# Altium PCB RFSOC_SAWG.PcbDoc (part 10 of 15) (continued)
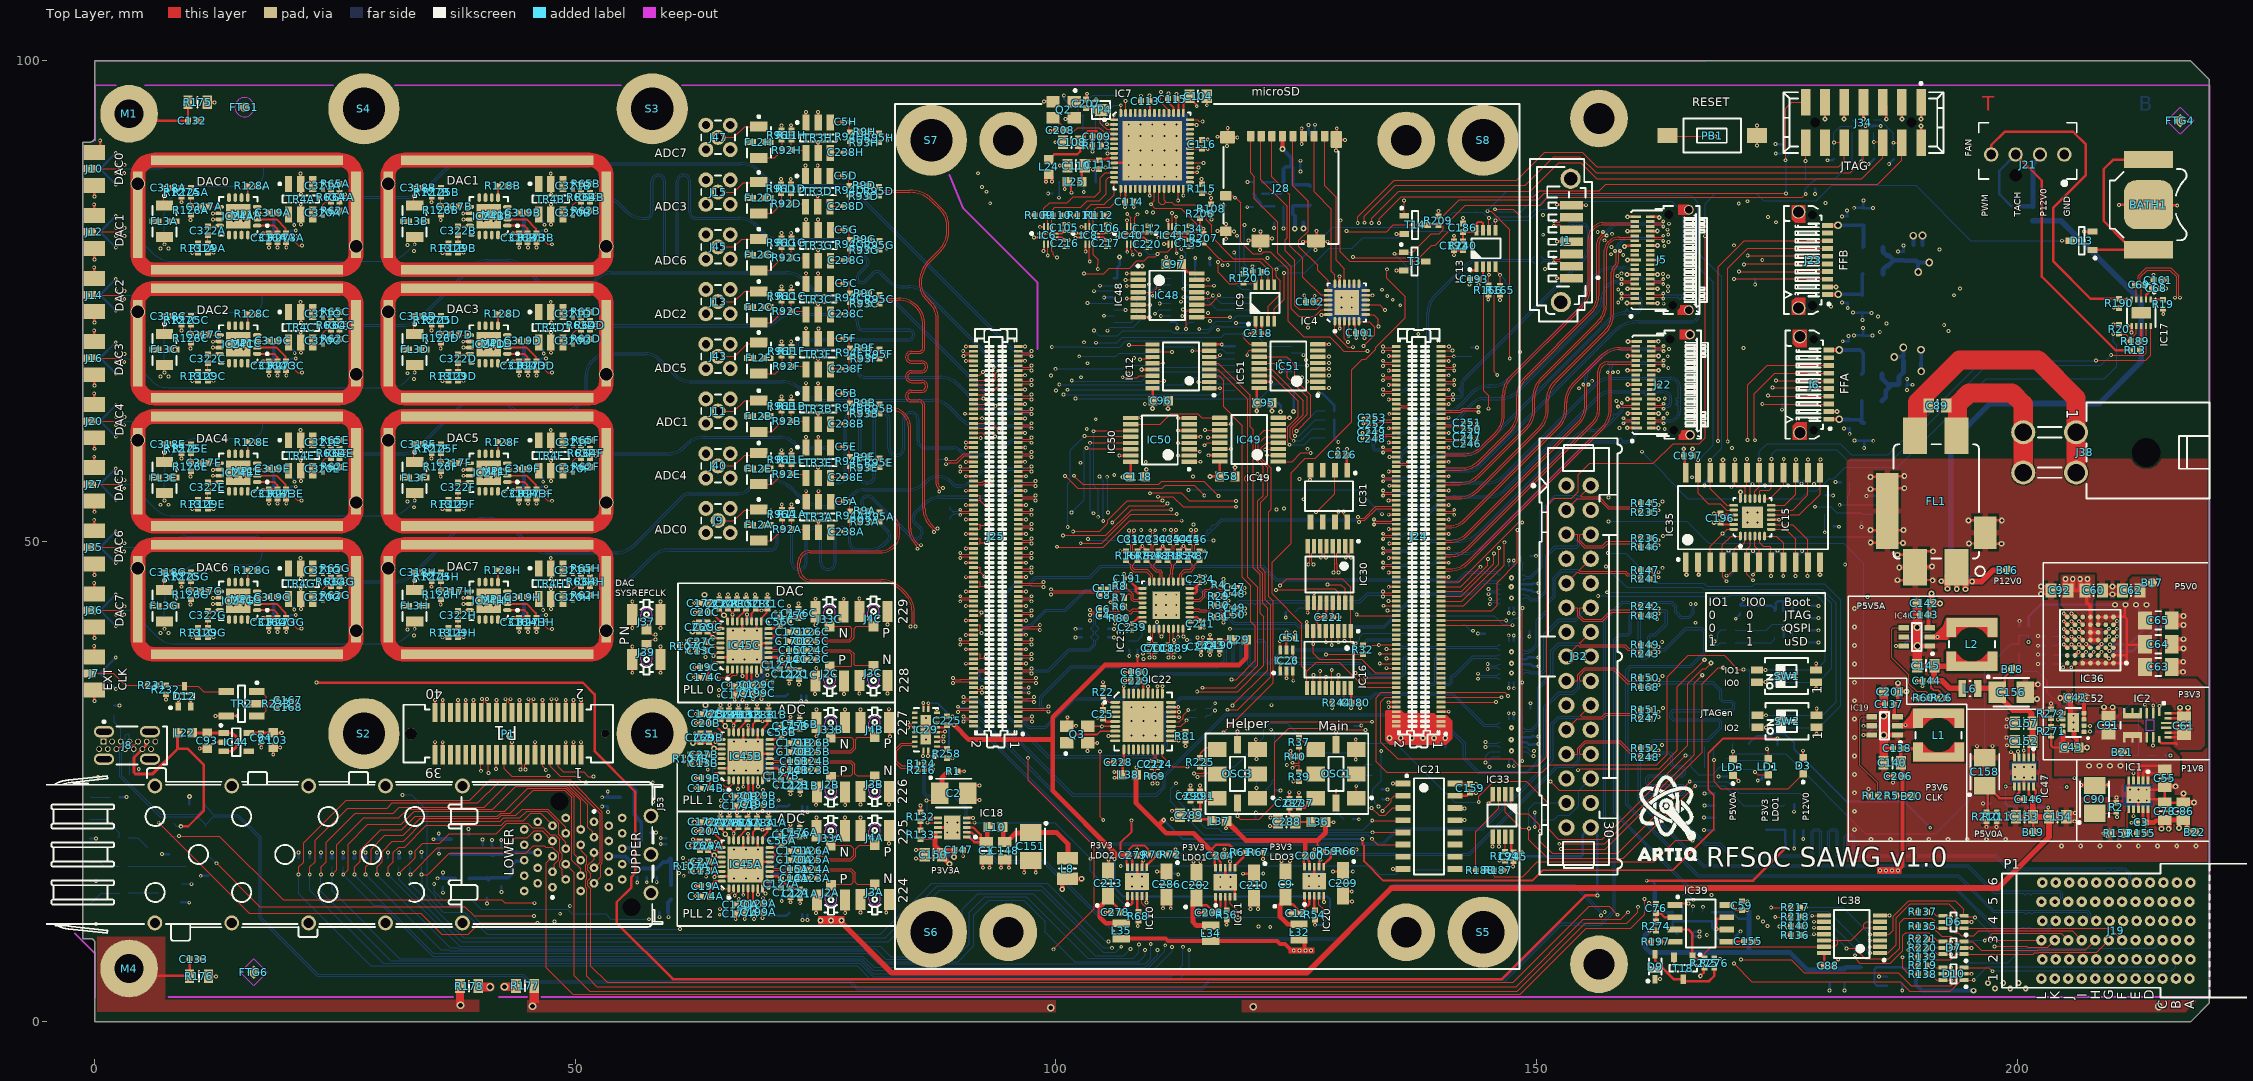
[diagram p0: Top Layer view]
## Nets (pads, with @x,y where several pads share a name; then routed paths per layer and width w, separated by ;. In a path a pad name is that pad's centre, name@x,y a point inside that pad or via, vN(x,y) a via of type N, cw(c..) or ccw(c..) an arc to the next point about the centre after c; other vN are vias at no path point) (continued)
  Bottom Layer w0.093: IC27.4@148.528,46.014 148.703,46.014 148.781,46.092 148.781,46.099 148.836,46.154 149.465,46.154 150.6,47.289 150.6,53.15 152.005,54.555 154.202,54.555 154.268,54.489 154.268,54.412 J32.3@153.114,53.258
LVDS_DUAL_N1: IC27.8 J32.6 R236.2 | length 21.2
  Top Layer w0.093: J32.6@155.654,50.718 154.549,50.718 154.494,50.664 154.494,50.131 155.075,49.55 156.868,49.55 157.303,49.985 160.557,49.985 160.612,50.039 160.612,50.081 R236.2@160.855,50.325
  Bottom Layer w0.093: IC27.8@148.528,44.014 148.703,44.014 148.781,44.092 148.781,44.099 148.836,44.154 149.02,44.154 149.374,43.8 150.139,43.8 151.175,44.836 151.175,48.475 152,49.3 154.216,49.3 154.495,49.579 154.495,49.95 155.263,50.718 J32.6@155.654,50.718
LVDS_DUAL_N2: IC28.4 J32.9 R241.2 | length 22.4
  Top Layer w0.093: J32.9@153.114,45.638 154.268,46.792 154.345,46.792 154.475,46.662 159.176,46.662 159.405,46.433 160.283,46.433 ; R241.2@160.851,46.085 160.607,46.329 160.607,46.379 160.553,46.434 160.284,46.434 ; 160.283,46.433 160.284,46.434
  Bottom Layer w0.093: IC28.4@148.528,38.216 148.703,38.216 148.781,38.294 148.781,38.302 148.836,38.356 149.141,38.356 149.272,38.488 149.488,38.488 150.225,39.225 150.225,41.725 151.3,42.8 151.3,43.6 151.949,44.249 151.949,46.099 152.7,46.85 154.129,46.85 154.189,46.79 154.189,46.713 J32.9@153.114,45.638
LVDS_DUAL_N3: IC28.8 J32.12 R242.2 | length 21.5
  Top Layer w0.093: J32.12@155.654,43.098 154.549,43.098 154.494,43.044 154.494,42.306 154.9,41.9 156.803,41.9 157.763,42.86 160.557,42.86 160.612,42.914 160.612,42.981 R242.2@160.855,43.225
  Bottom Layer w0.093: IC28.8@148.528,36.216 148.703,36.216 148.781,36.294 148.781,36.302 148.836,36.356 149.131,36.356 149.287,36.2 150.591,36.2 151,36.609 151,40.3 152.4,41.7 154.111,41.7 154.595,42.184 154.595,42.464 155.229,43.098 J32.12@155.654,43.098
LVDS_DUAL_N4: IC42.4 J32.15 R243.2 | length 23.2
  Top Layer w0.093: J32.15@153.114,38.018 154.268,39.172 154.345,39.172 154.475,39.042 159.132,39.042 159.509,38.665 160.118,38.665 ; 160.118,38.665 160.557,38.665 160.612,38.611 160.612,38.568 R243.2@160.855,38.325
  Bottom Layer w0.093: IC42.4@148.528,30.109 148.703,30.109 148.781,30.188 148.781,30.195 148.836,30.249 149.561,30.249 150.35,31.039 150.35,34.739 151.725,36.114 151.725,38.575 152.361,39.211 154.121,39.211 154.175,39.156 154.175,39.079 J32.15@153.114,38.018
LVDS_DUAL_P0: IC27.3 J32.2 R145.2 | length 23
  Top Layer w0.093: J32.2@155.654,55.798 154.62,54.764 154.62,54.687 154.674,54.632 156.518,54.632 157.54,53.61 160.557,53.61 160.612,53.664 160.612,53.731 R145.2@160.855,53.975
  Bottom Layer w0.093: IC27.3@148.528,46.514 148.703,46.514 148.781,46.435 148.781,46.428 148.836,46.374 149.374,46.374 150.38,47.38 150.38,53.241 151.914,54.775 154.293,54.775 154.424,54.645 154.501,54.645 J32.2@155.654,55.798
LVDS_DUAL_P1: IC27.7 J32.5 R146.2 | length 21.2
  Top Layer w0.093: J32.5@153.114,50.718 154.22,50.718 154.274,50.664 154.274,50.039 154.984,49.33 156.959,49.33 157.394,49.765 160.557,49.765 160.612,49.711 160.612,49.668 R146.2@160.855,49.425
  Bottom Layer w0.093: IC27.7@148.528,44.514 148.703,44.514 148.781,44.435 148.781,44.428 148.836,44.374 149.111,44.374 149.465,44.02 150.048,44.02 150.955,44.927 150.955,48.566 151.909,49.52 154.125,49.52 154.275,49.67 154.275,49.95 153.507,50.718 J32.5@153.114,50.718
LVDS_DUAL_P2: IC28.3 J32.8 R147.2 | length 22.6
  Top Layer w0.093: J32.8@155.654,48.178 154.501,47.025 154.501,46.948 154.566,46.882 159.267,46.882 159.496,46.653 160.192,46.653 160.193,46.654 160.557,46.654 160.612,46.708 160.612,46.756 R147.2@160.855,47
  Bottom Layer w0.093: IC28.3@148.528,38.716 148.703,38.716 148.781,38.637 148.781,38.63 148.836,38.576 149.05,38.576 149.181,38.708 149.396,38.708 150.005,39.316 150.005,41.816 151.08,42.891 151.08,43.691 151.729,44.34 151.729,46.19 152.609,47.07 154.22,47.07 154.344,46.946 154.422,46.946 J32.8@155.654,48.178
LVDS_DUAL_P3: IC28.7 J32.11 R148.2 | length 21.7
  Top Layer w0.093: J32.11@153.114,43.098 154.22,43.098 154.274,43.044 154.274,42.214 154.809,41.68 156.894,41.68 157.854,42.64 160.557,42.64 160.612,42.586 160.612,42.518 R148.2@160.855,42.275
  Bottom Layer w0.093: IC28.7@148.528,36.716 148.703,36.716 148.781,36.637 148.781,36.63 148.836,36.576 149.222,36.576 149.378,36.42 150.5,36.42 150.78,36.7 150.78,40.391 152.309,41.92 154.02,41.92 154.375,42.275 154.375,42.555 154.104,42.826 153.386,42.826 J32.11@153.114,43.098
LVDS_DUAL_P4: IC42.3 J32.14 R149.2 | length 23.4
  Top Layer w0.093: J32.14@155.654,40.558 154.501,39.405 154.501,39.328 154.566,39.262 159.223,39.262 159.6,38.885 160.209,38.885 160.557,38.885 160.612,38.939 160.612,38.981 R149.2@160.855,39.225
  Bottom Layer w0.093: IC42.3@148.528,30.609 148.703,30.609 148.781,30.531 148.781,30.524 148.836,30.469 149.469,30.469 150.13,31.13 150.13,34.83 151.505,36.205 151.505,38.666 152.269,39.431 154.398,39.431 154.424,39.405 154.501,39.405 J32.14@155.654,40.558
LVDS_JTAG_TCK_N: IC30.8 IC42.14 | length 38.3
  Top Layer w0.093: IC30.8@126.2,49.5 126.2,48.975 126.415,48.76 126.415,48.519 126.415,47.808 126.262,47.654 v1(126.262,47.6)
  Mid-Layer 6 w0.08: v1(126.262,47.6) 126.262,47.553 126.421,47.393 126.421,45.196 125.393,44.168 125.393,35.864 127.207,34.05 135.375,34.05 138.075,31.35 140.032,31.35 142.626,28.756 144.493,28.756 144.653,28.596 v1(144.7,28.596)
  Bottom Layer w0.093: v1(144.7,28.596) 144.754,28.596 144.908,28.749 145.604,28.749 145.92,28.749 145.974,28.695 145.974,28.688 146.053,28.609 IC42.14@146.228,28.609
LVDS_JTAG_TCK_P: IC30.7 IC42.15 | length 38.2
  Top Layer w0.093: v1(126.788,47.6) 126.788,47.654 126.635,47.808 126.635,48.61 126.635,48.76 126.85,48.975 IC30.7@126.85,49.5
  Mid-Layer 6 w0.08: v1(126.788,47.6) 126.788,47.553 126.628,47.393 126.628,45.111 125.6,44.082 125.6,35.95 127.293,34.257 135.461,34.257 138.161,31.557 140.118,31.557 142.712,28.963 142.794,28.963 142.875,28.963 142.945,29.033 142.945,29.043 143.015,29.113 143.155,29.113 143.225,29.043 143.225,29.033 143.295,28.963 143.435,28.963 143.505,29.033 143.505,29.043 143.575,29.113 143.715,29.113 143.785,29.043 143.785,29.033 143.855,28.963 144.175,28.963 144.493,28.963 144.653,29.123 v1(144.7,29.123)
  Bottom Layer w0.093: v1(144.7,29.123) 144.754,29.123 144.908,28.969 145.695,28.969 145.92,28.969 145.974,29.024 145.974,29.031 146.053,29.109 IC42.15@146.228,29.109
LVDS_JTAG_TDI_N: IC27.12 IC30.1 | length 25.9
  Top Layer w0.093: v1(130.688,48.3) 130.688,48.354 130.535,48.508 130.535,48.76 130.75,48.975 IC30.1@130.75,49.5
  Mid-Layer 6 w0.08: v1(130.688,48.3) 130.688,48.253 130.528,48.093 130.528,48.007 130.528,47.922 133.157,45.293 133.157,43.118 134,42.275 142.075,42.275 142.31,42.275 142.38,42.345 142.38,42.355 142.45,42.425 142.59,42.425 142.66,42.355 142.66,42.345 142.73,42.275 142.87,42.275 142.94,42.345 142.94,42.355 143.01,42.425 143.15,42.425 143.22,42.355 143.22,42.345 143.29,42.275 143.43,42.275 143.5,42.345 143.5,42.355 143.57,42.425 143.71,42.425 143.78,42.355 143.78,42.345 143.85,42.275 143.99,42.275 144.06,42.345 144.06,42.355 144.13,42.425 144.27,42.425 144.34,42.355 144.34,42.345 144.41,42.275 144.55,42.275 144.62,42.345 144.62,42.355 144.69,42.425 144.83,42.425 144.9,42.355 144.9,42.345 144.97,42.275 145.11,42.275 145.18,42.345 145.18,42.355 145.25,42.425 145.39,42.425 145.46,42.355 145.46,42.345 145.53,42.275 145.85,42.275 146.15,42.275 146.4,42.525 146.4,43.4 146.174,43.626 145.355,43.626 145.203,43.474 v1(145.148,43.474)
  Bottom Layer w0.093: v1@145.148,43.626 v1(145.148,43.474) 145.192,43.474 145.372,43.654 145.92,43.654 145.974,43.599 145.974,43.592 146.053,43.514 IC27.12@146.228,43.514
LVDS_JTAG_TDI_P: IC27.13 IC30.2 | length 25.9
  Top Layer w0.093: IC30.2@130.1,49.5 130.1,48.975 130.315,48.76 130.315,48.508 130.161,48.354 v1(130.161,48.3)
  Mid-Layer 6 w0.08: v1(130.161,48.3) 130.161,48.253 130.321,48.093 130.321,47.836 132.95,45.207 132.95,43.032 133.914,42.068 146.236,42.068 146.607,42.439 146.607,43.486 146.26,43.833 145.395,43.833 145.229,43.999 v1(145.188,43.999)
  Bottom Layer w0.093: v1@145.188,43.962 v1(145.188,43.999) 145.271,43.999 145.396,43.874 145.92,43.874 145.974,43.928 145.974,43.935 146.053,44.014 IC27.13@146.228,44.014
LVDS_JTAG_TDO_N: IC27.14 IC31.8 | length 27.7
  Top Layer w0.093: v1(129.925,53.1) 129.925,52.783 129.979,52.729 130.052,52.729 130.305,52.475 IC31.8@130.305,52
  Mid-Layer 6 w0.08: v1(129.925,53.1) 129.925,53.053 129.765,52.893 129.765,52.528 132.675,49.618 132.675,47.45 134.025,46.1 135.457,46.1 136.457,45.1 140.471,45.1 141.903,46.532 145.911,46.532 146.407,46.036 146.407,44.988 146.08,44.66 145.232,44.66 145.072,44.5 v1(145.025,44.5)
  Bottom Layer w0.093: v1(145.025,44.5) 145.079,44.5 145.233,44.654 145.606,44.654 145.92,44.654 145.974,44.599 145.974,44.592 146.053,44.514 IC27.14@146.228,44.514
LVDS_JTAG_TDO_P: IC27.15 IC31.7 | length 27.6
  Top Layer w0.093: IC31.7@129.035,52 129.035,52.475 129.288,52.729 129.344,52.729 129.398,52.783 v1(129.398,53.1)
  Mid-Layer 6 w0.08: v1(129.398,53.1) 129.398,53.053 129.558,52.893 129.558,52.442 132.468,49.532 132.468,47.364 133.939,45.893 135.371,45.893 136.371,44.893 140.557,44.893 141.989,46.325 143.945,46.325 144.505,46.325 144.575,46.255 144.575,46.245 144.645,46.175 144.785,46.175 144.855,46.245 144.855,46.255 144.925,46.325 145.065,46.325 145.135,46.255 145.135,46.245 145.205,46.175 145.345,46.175 145.415,46.245 145.415,46.255 145.485,46.325 145.525,46.325 145.825,46.325 146.2,45.95 146.2,45.073 145.994,44.867 145.232,44.867 145.072,45.027 v1(145.025,45.027)
  Bottom Layer w0.093: v1(145.025,45.027) 145.079,45.027 145.233,44.874 145.697,44.874 145.92,44.874 145.974,44.928 145.974,44.935 146.053,45.014 IC27.15@146.228,45.014
LVDS_JTAG_TMS_N: IC28.14 IC30.5 | length 28.8
  Top Layer w0.093: v1(128.088,48.3) 128.088,48.354 127.935,48.508 127.935,48.76 128.15,48.975 IC30.5@128.15,49.5
  Mid-Layer 6 w0.08: v1(128.088,48.3) 128.088,48.253 127.928,48.093 127.928,47.889 128.146,47.672 129.703,47.672 132.282,45.093 132.282,42.561 133.736,41.107 138.536,41.107 140.918,38.725 145.102,38.725 145.885,37.942 145.885,37.031 145.717,36.862 145.132,36.862 144.972,36.702 v1(144.925,36.702)
  Bottom Layer w0.093: v1(144.925,36.702) 144.979,36.702 145.133,36.856 145.92,36.856 145.974,36.802 145.974,36.794 146.053,36.716 IC28.14@146.228,36.716
LVDS_JTAG_TMS_P: IC28.15 IC30.6 | length 28.8
  Top Layer w0.093: IC30.6@127.5,49.5 127.5,48.975 127.715,48.76 127.715,48.508 127.562,48.354 v1(127.562,48.3)
  Mid-Layer 6 w0.08: v1(127.562,48.3) 127.562,48.253 127.721,48.093 127.721,47.803 128.06,47.465 129.618,47.465 132.075,45.007 132.075,42.475 133.65,40.9 138.45,40.9 140.832,38.518 143.1,38.518 143.68,38.518 143.75,38.448 143.75,38.438 143.82,38.368 143.96,38.368 144.03,38.438 144.03,38.448 144.1,38.518 144.24,38.518 144.31,38.448 144.31,38.438 144.38,38.368 144.52,38.368 144.59,38.438 144.59,38.448 144.66,38.518 144.7,38.518 145.016,38.518 145.678,37.856 145.678,37.116 145.631,37.069 145.132,37.069 144.972,37.229 v1(144.925,37.229)
  Bottom Layer w0.093: v1(144.925,37.229) 144.979,37.229 145.133,37.076 145.92,37.076 145.974,37.13 145.974,37.137 146.053,37.216 IC28.15@146.228,37.216
LVDS_JTAG_TRSTn_N: IC28.12 IC30.4 | length 26.9
  Top Layer w0.093: IC30.4@128.8,49.5 128.8,48.975 129.015,48.76 129.015,47.643 129.028,47.629 129.028,46.958 128.875,46.804 v1(128.875,46.75)
  Mid-Layer 6 w0.08: v1(128.875,46.75) 128.875,46.703 129.035,46.543 129.035,46.014 130.293,44.756 130.293,42.107 132.425,39.975 136.95,39.975 141.063,35.862 141.75,35.862 143.718,35.862 143.878,35.702 v1(143.925,35.702)
  Bottom Layer w0.093: v1(143.925,35.702) 144.008,35.702 144.162,35.856 145.92,35.856 145.974,35.802 145.974,35.794 146.053,35.716 IC28.12@146.228,35.716
LVDS_JTAG_TRSTn_P: IC28.13 IC30.3 | length 26.8
  Top Layer w0.093: v1(129.402,46.75) 129.402,46.804 129.248,46.958 129.248,47.72 129.235,47.734 129.235,48.76 129.45,48.975 IC30.3@129.45,49.5
  Mid-Layer 6 w0.08: v1(129.402,46.75) 129.402,46.703 129.242,46.543 129.242,46.1 130.5,44.842 130.5,42.193 132.511,40.182 137.036,40.182 141.148,36.069 141.75,36.069 142.1,36.069 142.17,36.139 142.17,36.149 142.24,36.219 142.38,36.219 142.45,36.149 142.45,36.139 142.52,36.069 142.66,36.069 142.73,36.139 142.73,36.149 142.8,36.219 142.94,36.219 143.01,36.149 143.01,36.139 143.08,36.069 143.4,36.069 143.718,36.069 143.878,36.229 v1(143.925,36.229)
  Bottom Layer w0.093: v1(143.925,36.229) 144.008,36.229 144.162,36.076 145.92,36.076 145.974,36.13 145.974,36.137 146.053,36.216 IC28.13@146.228,36.216
Main_DCXO_C_N: C189.1 OSC1.5 R39.2 | length 27.4
  Top Layer w0.093: v1(112.251,37.925) 112.251,37.979 112.098,38.133 112.098,38.317 112.152,38.372 112.197,38.372 112.35,38.525 C189.1@112.35,38.55 ; v1(124.6,26.436) 124.602,26.436 124.841,26.675 124.953,26.675 124.967,26.689 125.246,26.689 125.3,26.635 R39.2@125.3,25.97 125.461,25.809 OSC1.5@127.05,25.809
  Mid-Layer 6 w0.08: v1(112.251,37.925) 112.251,37.878 112.091,37.718 112.091,36.509 113.139,35.461 117.257,35.461 120.611,32.107 123.995,32.107 126.307,29.795 126.307,26.914 125.989,26.596 124.807,26.596 124.647,26.436 v1(124.6,26.436)
Main_DCXO_C_P: C188.1 R37.2 R40.2 | length 26.8
  Top Layer w0.093: C188.1@111.625,38.55 111.625,38.525 111.779,38.372 111.823,38.372 111.878,38.317 111.878,38.133 111.724,37.979 v1(111.724,37.925) ; v1(124.6,26.963) 124.654,26.909 125.246,26.909 125.3,26.964 125.3,27.53 R40.2@125.37,27.6 125.37,28.56 R37.2@125.3,28.63
  Mid-Layer 6 w0.08: v1(111.724,37.925) 111.724,37.878 111.884,37.718 111.884,36.423 113.054,35.254 117.171,35.254 120.525,31.9 123.909,31.9 125.905,29.905 126.1,29.709 126.1,29.193 126.1,28.88 126.03,28.81 126.02,28.81 125.95,28.74 125.95,28.6 126.02,28.53 126.03,28.53 126.1,28.46 126.1,28.32 126.03,28.25 126.02,28.25 125.95,28.18 125.95,28.04 126.02,27.97 126.03,27.97 126.1,27.9 126.1,27.76 126.03,27.69 126.02,27.69 125.95,27.62 125.95,27.48 126.02,27.41 126.03,27.41 126.1,27.34 126.1,27.3 126.1,27 125.903,26.803 125.761,26.803 125.535,26.803 125.465,26.873 125.465,26.883 125.395,26.953 125.255,26.953 125.185,26.883 125.185,26.873 125.115,26.803 125.075,26.803 124.807,26.803 124.647,26.963 v1(124.6,26.963)
Main_DCXO_N: C189.2 IC23.6 R83.2 | length 2.3
  Top Layer w0.093: IC23.6@112.225,40.9 112.225,39.89 112.293,39.822 112.293,39.307 C189.2@112.35,39.25
  Bottom Layer w0.093: R83.2@112.281,39.121 112.293,39.133 v1(112.293,39.739)
Main_DCXO_OE: IC12.15 R36.1 R38.2 R88.1 R90.2 | length 80.2
  Top Layer w0.127: IC12.15@110.05,66.575 110.156,66.681 v1(111.25,66.681)
  Mid-Layer 3 w0.127: v1(111.25,66.681) 113.719,66.681 114.865,65.535 125.29,65.535 130.925,59.9 130.925,51.875 131.75,51.05 131.75,37.525 131.569,37.344 131.569,36.142 126.775,31.348 126.775,22.075 127.375,21.475 134.325,21.475 134.625,21.775 134.625,22.201 134.401,22.425 v1(133.55,22.425)
  Bottom Layer w0.127: v1(133.55,22.425) 133.185,22.79 133.185,22.995 R88.1@132.98,23.2 R90.2@132.98,24.2 132.98,24.22 133.87,25.11 R38.2@133.87,25.65 R36.1@133.87,26.8 133.87,28.18 v1(133.85,28.2)
Main_DCXO_P: C188.2 IC23.5 | length 1.8
  Top Layer w0.093: C188.2@111.625,39.25 111.625,39.275 111.779,39.429 111.804,39.429 111.865,39.49 111.865,40.467 111.725,40.607 IC23.5@111.725,40.9
Main_DCXO_SCL: J25.144 OSC1.8 R35.1 TP30.1 | length 92.1
  Top Layer w0.127: J25.144@91.415,66.272 92.822,66.272 93.456,66.905 93.456,68.08 v1(93.5,68.125) ; OSC1.8@129.15,28.834 129.155,28.84 v1(129.155,30.145)
  Mid-Layer 3 w0.127: v1(93.5,68.125) 94.05,68.675 94.05,69.8 95.725,71.475 109.825,71.475 110.185,71.115 118.094,71.115 118.558,70.651 127.599,70.651 128.2,70.05 128.961,70.05 130.8,68.211 130.8,63.825 131.35,63.275 132.3,63.275 133.475,62.1 133.475,54.475 135.307,52.643 135.307,35.007 130.445,30.145 v1(129.155,30.145)
  Bottom Layer w0.08: v1(129.155,30.145) 129.155,30.555 129.4,30.8 R35.1@130.13,30.8
  Bottom Layer w0.127: TP30.1@129.15,28.834 129.155,28.84 v1(129.155,30.145)
Main_DCXO_SDA: J25.142 OSC1.7 R34.1 TP29.1 | length 97.2
  Top Layer w0.127: J25.142@91.415,65.772 92.747,65.772 93.71,66.734 93.71,67.459 v1(94,67.75) ; OSC1.7@129.15,22.784 129.175,22.809 v1(129.175,24.05)
  Mid-Layer 3 w0.127: v1(94,67.75) 94.675,68.425 94.675,69.725 96.05,71.1 109.575,71.1 109.814,70.861 117.589,70.861 118.053,70.397 127.328,70.397 128.1,69.625 128.6,69.625 128.786,69.439 ; 128.786,69.437 130.375,67.849 130.375,62.925 131.55,61.75 132.275,61.75 133.125,60.9 133.125,53.064 133.209,52.979 133.209,52.72 133.491,52.439 133.491,51.588 133.209,51.307 133.209,35.35 131.253,33.394 131.253,32.627 130.716,32.09 129.74,32.09 127.925,30.275 127.925,25.3 v1(129.175,24.05)
  Bottom Layer w0.127: v1(129.175,24.05) 129.15,24.025 129.15,22.784 129.15,21.88 R34.1@129.93,21.1
MUXOUTA: B14A.1 IC45A.30 IC49.4 | length 103.7
  Top Layer w0.127: v1(117.45,30.125) 122.613,35.288 122.613,43.787 122.159,44.241 122.159,53.087 122.425,53.352 122.425,57.625 121.384,58.665 121.384,59.712 121.923,60.25 IC49.4@123.15,60.25
  Top Layer w0.2: v1(64.467,15.089) 64.505,15.127 64.505,15.232 64.794,15.521 64.8,15.521 64.923,15.644 IC45A.30@65.225,15.644
  Mid-Layer 3 w0.127: v1(64.467,15.089) 64.5,15.056 64.5,13.566 66.27,11.796 73.862,11.796 74.716,12.65 81.675,12.65 83.988,14.963 98.563,14.963 104.15,20.55 115.65,20.55 117.46,22.36 117.46,30.115 v1(117.45,30.125)
  Bottom Layer w0.127: B14A.1@64.263,14.381 64.415,14.534 64.415,15.036 v1(64.467,15.089)
MUXOUTB: B14B.1 IC45B.30 IC49.5 | length 121.7
  Top Layer w0.127: v1(117.85,32.475) 118.911,32.475 122.359,35.922 122.359,43.366 121.78,43.945 121.78,46.808 121.309,47.279 121.309,54.072 122.025,54.789 122.025,57.666 121.05,58.641 121.05,60.15 121.8,60.9 IC49.5@123.15,60.9
  Top Layer w0.2: v1(64.5,26.55) 64.538,26.588 64.538,26.687 64.717,26.866 65.206,26.866 IC45B.30@65.225,26.885
  Mid-Layer 3 w0.127: v1(64.5,26.55) 64.5,26.125 64.175,25.8 62.25,25.8 61.55,25.1 61.55,18.15 62.275,17.425 62.275,15.66 64.246,13.689 64.246,13.461 66.165,11.542 73.967,11.542 74.675,12.25 82,12.25 84.1,14.35 98.625,14.35 104.125,19.85 115.9,19.85 117.85,21.8 v1(117.85,32.475)
  Bottom Layer w0.127: B14B.1@64.302,25.485 64.302,26.339 64.5,26.537 v1(64.5,26.55)
MUXOUTC: B14C.1 IC45C.30 IC49.6 | length 133
  Top Layer w0.127: v1(118.375,32.925) 122.05,36.6 122.05,43.05 121.526,43.574 121.526,46.626 121,47.151 121,54.2 121.55,54.75 121.55,57.75 120.796,58.504 120.796,60.646 121.7,61.55 IC49.6@123.15,61.55
  Top Layer w0.2: v1(64.372,38.083) 64.426,38.083 64.741,38.399 65.078,38.399 IC45C.30@65.097,38.418
  Mid-Layer 3 w0.127: v1(64.372,38.083) 64.372,37.393 63,36.021 63,27.462 61.05,25.512 61.05,18.05 61.975,17.125 61.975,15.372 66.135,11.212 74.087,11.212 74.825,11.95 82.675,11.95 84.75,14.025 99.05,14.025 104.35,19.325 116.05,19.325 118.375,21.65 v1(118.375,32.925)
  Bottom Layer w0.127: B14C.1@64.134,37.155 64.208,37.23 64.208,37.846 64.372,38.009 v1(64.372,38.083)
NetBATH1_1: BATH1.1 D13.1 | length 20.5
  Top Layer w0.254: D13.1@207.875,80.325 BATH1.1@212.025,80.325 ; BATH1.1@213.675,80.325 212.028,80.325 BATH1.1@212.025,80.325 ; BATH1.1@213.675,89.725 210.025,89.725 209.025,88.725 209.025,83.328 211.252,81.101 211.252,81.098 BATH1.1@212.025,80.325
NetC1_1: C1.1 IC18.1 IC18.2 IC18.3 L10.2 | length 8.3
  Top Layer w0.254: IC18.1@90.725,19.225 90.975,19.225 91.5,18.7 C1.1@92.575,18.7 ; IC18.2@90.725,19.725 90.748,19.702 91.248,19.702 91.852,19.098 C1.1@92.177,19.098 ; IC18.3@90.725,20.225 91.4,20.225 92.177,19.448 C1.1@92.177,19.098 ; C1.1@92.75,18.7 C1.1@92.575,18.7 ; C1.1@92.177,19.098 C1.1@92.575,18.7
  Top Layer w0.5: C1.1@92.75,18.7 92.85,18.8 92.85,20.175 L10.2@92.95,20.275
NetC2_1: C2.1 IC18.7 R1.2 | length 7.8
  Top Layer w0.127: v1(86.55,23.052) 87.177,23.052 C2.1@87.925,23.8 ; v1(86.632,20.725) IC18.7@87.725,20.725
  Top Layer w0.5: C2.1@87.925,23.8 88.137,24.012 88.137,25.382 88.77,26.015 88.79,26.015 88.83,26.055 R1.2@88.83,26.075
  Bottom Layer w0.127: v1(86.55,23.052) 86.632,22.97 v1(86.632,20.725)
NetC9_1: C9.1 C12.2 IC20.1 IC20.2 L32.2 | length 10.5
  Top Layer w0.254: C9.1@123.9,13 123.9,12.725 124.398,12.227 124.656,12.227 125.114,11.769 125.114,11.636 C12.2@125.45,11.3 125.875,11.725 125.875,12.075 ; IC20.1@125.875,13.125 125.875,12.075 ; IC20.2@126.375,13.125 126.375,12.275 126.175,12.075 125.875,12.075
  Top Layer w0.5: C9.1@123.9,13 123.9,12.725 123.325,12.15 123.325,10.925 124.1,10.15 L32.2@125.3,10.15
NetC16A_2: C16A.2 IC45A.7 R14A.2 R17A.1 | length 5.9
  Top Layer w0.254: IC45A.7@68.975,13.894 68.984,13.885 68.984,13.26 v1(69,13.244)
  Bottom Layer w0.254: v1(69,13.244) 70.067,14.311 70.237,14.311 R14A.2@70.4,14.474 ; R14A.2@70.305,14.549 69.836,15.018 69.836,16.163 70.07,16.397 70.07,16.489 70.623,17.042 70.623,17.088 R17A.1@70.786,17.251
NetC16B_2: C16B.2 IC45B.7 R14B.2 R17B.1 | length 5.8
  Top Layer w0.254: IC45B.7@68.975,25.135 68.984,25.126 68.984,24.501 v1(69,24.485)
  Bottom Layer w0.254: v1(69,24.485) 69.028,24.513 69.178,24.513 69.685,25.02 69.685,25.045 70.196,25.555 70.196,25.874 69.811,26.259 69.811,27.354 C16B.2@69.887,27.429 70.07,27.612 70.07,27.754 70.786,28.471 R17B.1@70.786,28.491
NetC16C_2: C16C.2 IC45C.7 R14C.2 R17C.1 | length 5.9
  Top Layer w0.254: IC45C.7@68.847,36.668 68.855,36.659 68.855,36.13 68.9,36.085 v1(68.9,36.046)
  Bottom Layer w0.254: v1(68.9,36.046) 69.07,36.046 69.964,36.94 69.964,36.96 R14C.2@70.127,37.123 ; R14C.2@70.147,37.123 R14C.2@70.127,37.123 ; R17C.1@70.658,40.025 70.658,40.005 69.94,39.287 69.94,39.199 C16C.2@69.757,39.016 69.583,38.841 69.583,37.667 R14C.2@70.127,37.123
NetC17A_2: C17A.2 R14A.1 | length 2.1
  Bottom Layer w0.254: R14A.1@70.4,15.414 71.296,15.414 71.751,15.869 71.786,15.869 C17A.2@72.134,16.217
NetC17B_2: C17B.2 R14B.1 | length 2.1
  Bottom Layer w0.254: R14B.1@70.375,26.655 70.385,26.645 71.404,26.645 72.122,27.363 C17B.2@72.147,27.363
NetC17C_2: C17C.2 R14C.1 | length 1.6
  Bottom Layer w0.254: R14C.1@70.147,38.063 71.179,38.063 71.57,38.454
NetC19A_2: C19A.2 C174A.2 IC45A.32 | length 2.5
  Top Layer w0.2: C174A.2@64,13.069 C19A.2@64,14.119 64.525,14.644 IC45A.32@65.225,14.644
NetC19B_2: C19B.2 C174B.2 IC45B.32 | length 2.5
  Top Layer w0.2: C174B.2@64,24.31 C19B.2@64,25.36 64.525,25.885 IC45B.32@65.225,25.885
NetC19C_2: C19C.2 C174C.2 IC45C.32 | length 2.5
  Top Layer w0.2: C174C.2@63.872,35.843 C19C.2@63.872,36.893 64.397,37.418 IC45C.32@65.097,37.418
NetC20A_2: C20A.2 C172A.2 IC45A.25 | length 3.3
  Top Layer w0.2: C172A.2@64.025,20.838 C20A.2@64.025,19.844 64.235,19.634 64.441,19.634 65.225,18.85 IC45A.25@65.225,18.144
NetC20B_2: C20B.2 C172B.2 IC45B.25 | length 3.4
  Top Layer w0.2: C172B.2@64.025,32.079 C20B.2@64.025,31.085 64.202,30.908 64.492,30.908 65.225,30.175 IC45B.25@65.225,29.385
NetC20C_2: C20C.2 C172C.2 IC45C.25 | length 3.4
  Top Layer w0.2: C172C.2@63.897,43.613 C20C.2@63.897,42.618 64.076,42.439 64.361,42.439 65.097,41.703 IC45C.25@65.097,40.918
NetC21A_2: C21A.2 C22A.2 C139A.2 IC45A.24 | length 3.6
  Top Layer w0.2: C21A.2@65.092,20.254 65.105,20.254 65.31,20.049 65.31,19.925 65.593,19.642 v4(65.593,19.533) ; v4@65.596,19.546 65.596,19.539 65.975,19.16 IC45A.24@65.975,18.894
  Bottom Layer w0.2: v4(65.593,19.533) 65.593,19.642 65.31,19.925 65.31,20.05 C139A.2@65.1,20.26 C22A.2@66.025,20.26
NetC21B_2: C21B.2 C22B.2 C139B.2 IC45B.24 | length 3.6
  Top Layer w0.2: C21B.2@65.092,31.495 65.105,31.495 65.31,31.29 65.31,31.165 65.593,30.882 v4(65.593,30.774) ; v4@65.596,30.787 65.596,30.78 65.975,30.401 IC45B.24@65.975,30.135
  Bottom Layer w0.2: v4(65.593,30.774) 65.593,30.882 65.31,31.165 65.31,31.291 C139B.2@65.1,31.501 C22B.2@66.025,31.501
NetC21C_2: C21C.2 C22C.2 C139C.2 IC45C.24 | length 3.6
  Top Layer w0.2: C21C.2@64.964,43.028 64.977,43.028 65.182,42.823 65.182,42.699 65.465,42.416 v4(65.465,42.307) ; v4@65.468,42.32 65.468,42.313 65.847,41.934 IC45C.24@65.847,41.668
  Bottom Layer w0.2: v4(65.465,42.307) 65.465,42.416 65.182,42.699 65.182,42.824 C139C.2@64.972,43.034 C22C.2@65.897,43.034
NetC23A_2: C23A.2 C24A.2 C173A.2 IC45A.23 | length 3.8
  Top Layer w0.2: C24A.2@66,20.259 v1@66.475,19.784 ; IC45A.23@66.475,18.894 v1(66.475,19.594) v1@66.475,19.784 ; C23A.2@66.951,20.26 66.951,20.248 66.753,20.05 66.741,20.05 v1@66.475,19.784
  Bottom Layer w0.2: v1(66.475,19.594) 66.513,19.632 66.513,19.806 66.762,20.055 66.762,20.059 66.9,20.197 66.9,20.409 C173A.2@67.3,20.809
NetC23B_2: C23B.2 C24B.2 C173B.2 IC45B.23 | length 3.8
  Top Layer w0.2: C24B.2@66,31.5 v1@66.475,31.025 ; IC45B.23@66.475,30.135 v1(66.475,30.835) v1@66.475,31.025 ; C23B.2@66.951,31.501 66.951,31.489 66.753,31.291 66.741,31.291 v1@66.475,31.025
  Bottom Layer w0.2: v1(66.475,30.835) 66.513,30.873 66.513,31.046 66.762,31.295 66.762,31.3 66.9,31.438 66.9,31.65 C173B.2@67.3,32.05
NetC23C_2: C23C.2 C24C.2 C173C.2 IC45C.23 | length 3.8
  Top Layer w0.2: C24C.2@65.872,43.033 v1@66.347,42.558 ; IC45C.23@66.347,41.668 v1(66.347,42.368) v1@66.347,42.558 ; C23C.2@66.823,43.034 66.823,43.022 66.625,42.824 66.613,42.824 v1@66.347,42.558
  Bottom Layer w0.2: v1(66.347,42.368) 66.385,42.406 66.385,42.58 66.634,42.829 66.634,42.833 66.772,42.971 66.772,43.183 C173C.2@67.172,43.583
NetC25_2: C25.2 C160.2 C228.2 C229.2 IC22.5 IC22.10 IC22.32 L38.1 | length 26.6
  Top Layer w0.254: v1(104.325,31.65) 104.353,31.622 104.828,31.622 105.2,31.25 IC22.5@106.175,31.25 ; v1(106.072,25.993) 106.557,25.993 L38.1@106.85,25.7 ; v1(106.089,25.398) 106.548,25.398 L38.1@106.85,25.7 ; IC22.10@107.075,28.35 107.066,28.341 107.066,27.116 C228.2@106.95,27 106.95,25.8 L38.1@106.85,25.7 ; IC22.32@109.075,34.15 109.075,35.125 C229.2@108.7,35.5 C160.2@108.7,36.4 108.709,36.391 109.327,36.391 v1(109.336,36.383)
  Mid-Layer 4 w0.254: v1(106.089,25.398) 106.089,28.161 104.325,29.925 v1(104.325,31.65) 104.325,35.85 105.525,37.05 108.668,37.05 v1(109.336,36.383)
NetC39_1: C39.1 Q1.6 R200.1 | length 3.1
  Bottom Layer w0.254: C39.1@120.55,86.175 120.733,85.992 120.733,85.82 121.296,85.257 121.296,84.924 R200.1@121.445,84.775 121.538,84.868 Q1.6@122.747,84.868
NetC40_2: C40.2 IC14.1 IC14.3 R123.2 | length 7.3
  Bottom Layer w0.254: IC14.3@186.475,3.775 185.425,3.775 185.175,4.025 185.175,4.375 185.175,5.475 185.375,5.675 IC14.1@186.475,5.675 188.05,5.675 C40.2@188.175,5.55 188.18,5.545 R123.2@189.5,5.545
NetC41_2: C41.2 IC39.6 IC39.7 R226.1 R279.1 R280.1 R281.1 R282.1 R283.1 | length 11.1
  Top Layer w0.254: IC39.6@169.8,9.615 169.782,9.633 168.742,9.633 v1(168.725,9.65) 168.697,9.678 168.697,10.585 168.846,10.733 169.648,10.733 IC39.7@169.8,10.885
  Bottom Layer w0.254: C41.2@164.675,9.15 164.2,9.625 R283.1@164.2,10.455 R282.1@165.2,10.455 R281.1@166.275,10.455 R280.1@167.325,10.455 R226.1@168.3,10.455 168.3,9.799 168.449,9.65 v1(168.725,9.65) 168.725,8.8 R279.1@168.9,8.625
NetC66_1: C66.1 IC36.E2 | length 6.7
  Top Layer w0.254: IC36.E2@209.237,40.529 209.587,40.879 v1(209.587,40.904)
  Bottom Layer w0.127: C66.1@203.75,40.125 204.35,40.125 204.694,40.469 207.642,40.469 208.077,40.904 v1(209.587,40.904)